# Altium PCB PCB-watch.PcbDoc
Units mm, origin at the board's own origin, x right, y up, seen from the top; angles counter-clockwise.
Board outline 65 x 90 mm, 2 copper layers (Top Layer, Bottom Layer); 82 components, 74 nets, 352 pads, 251 vias.
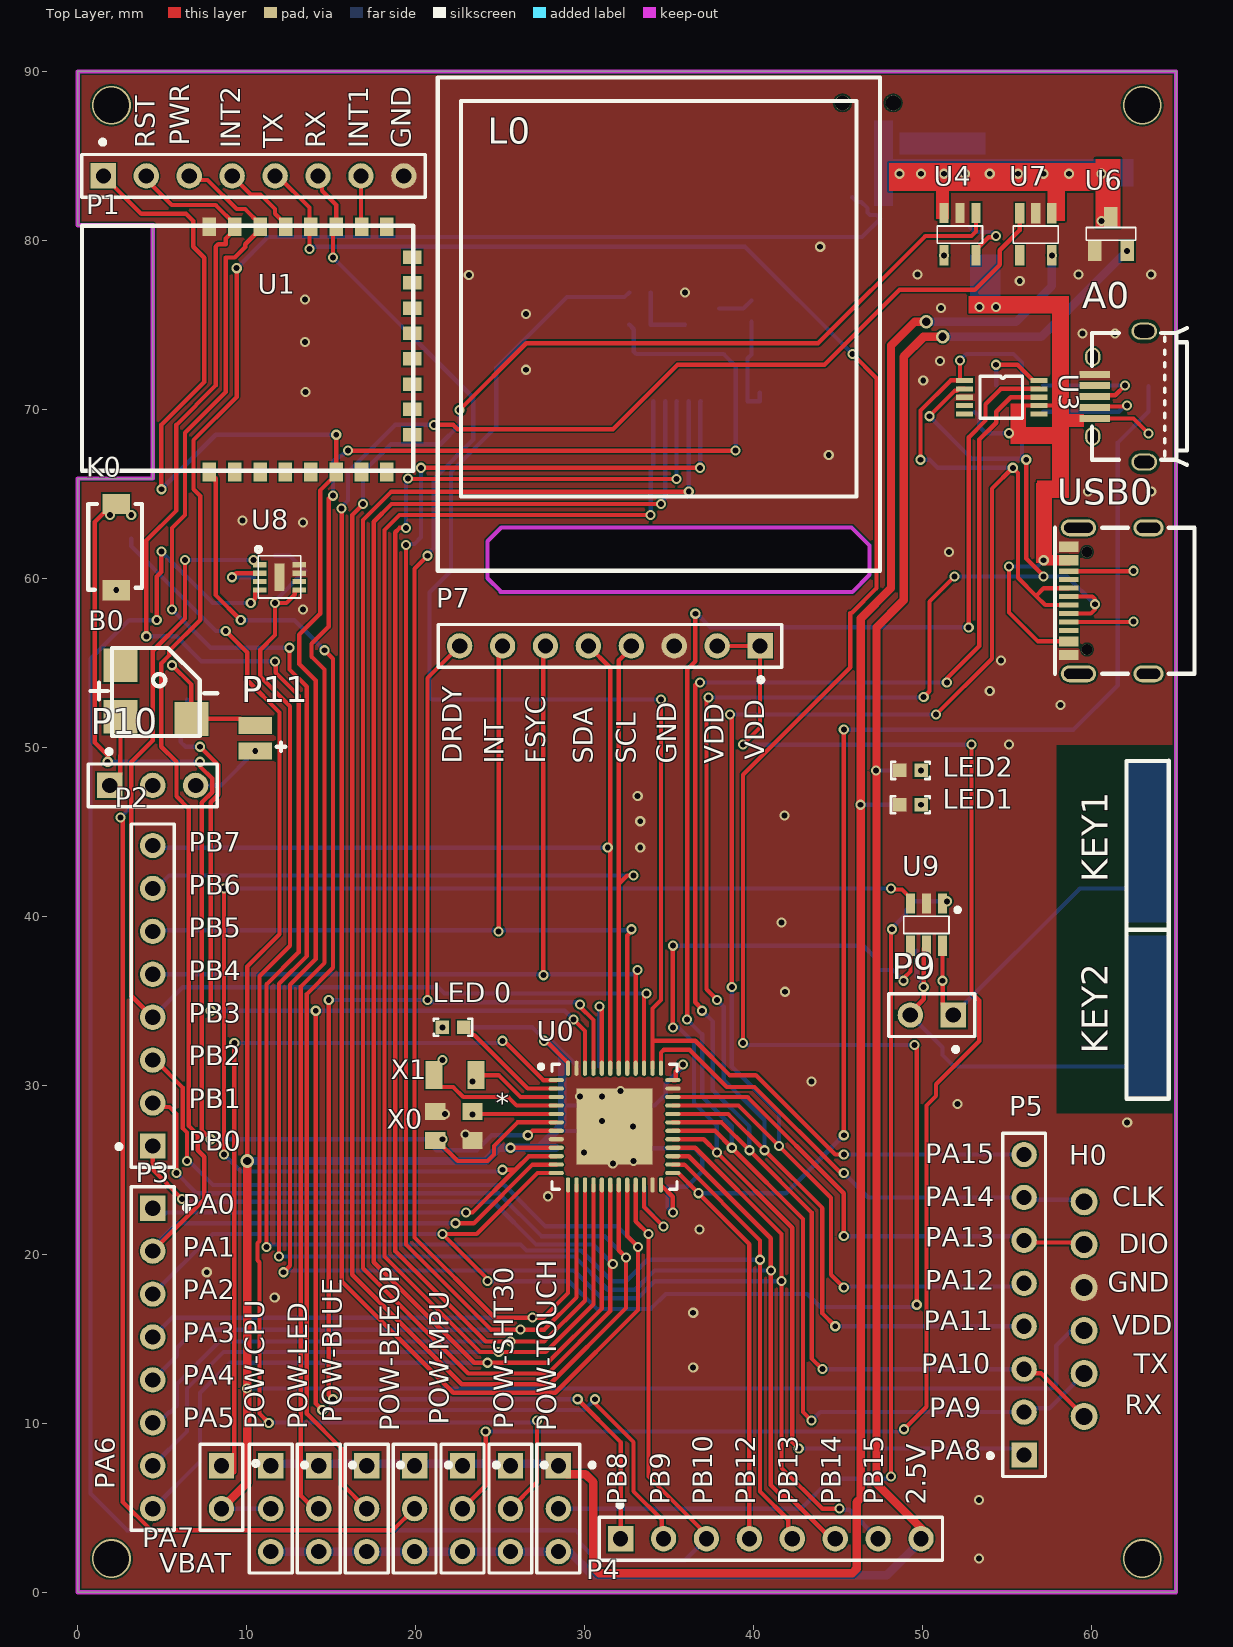
[diagram p0: Top Layer view]
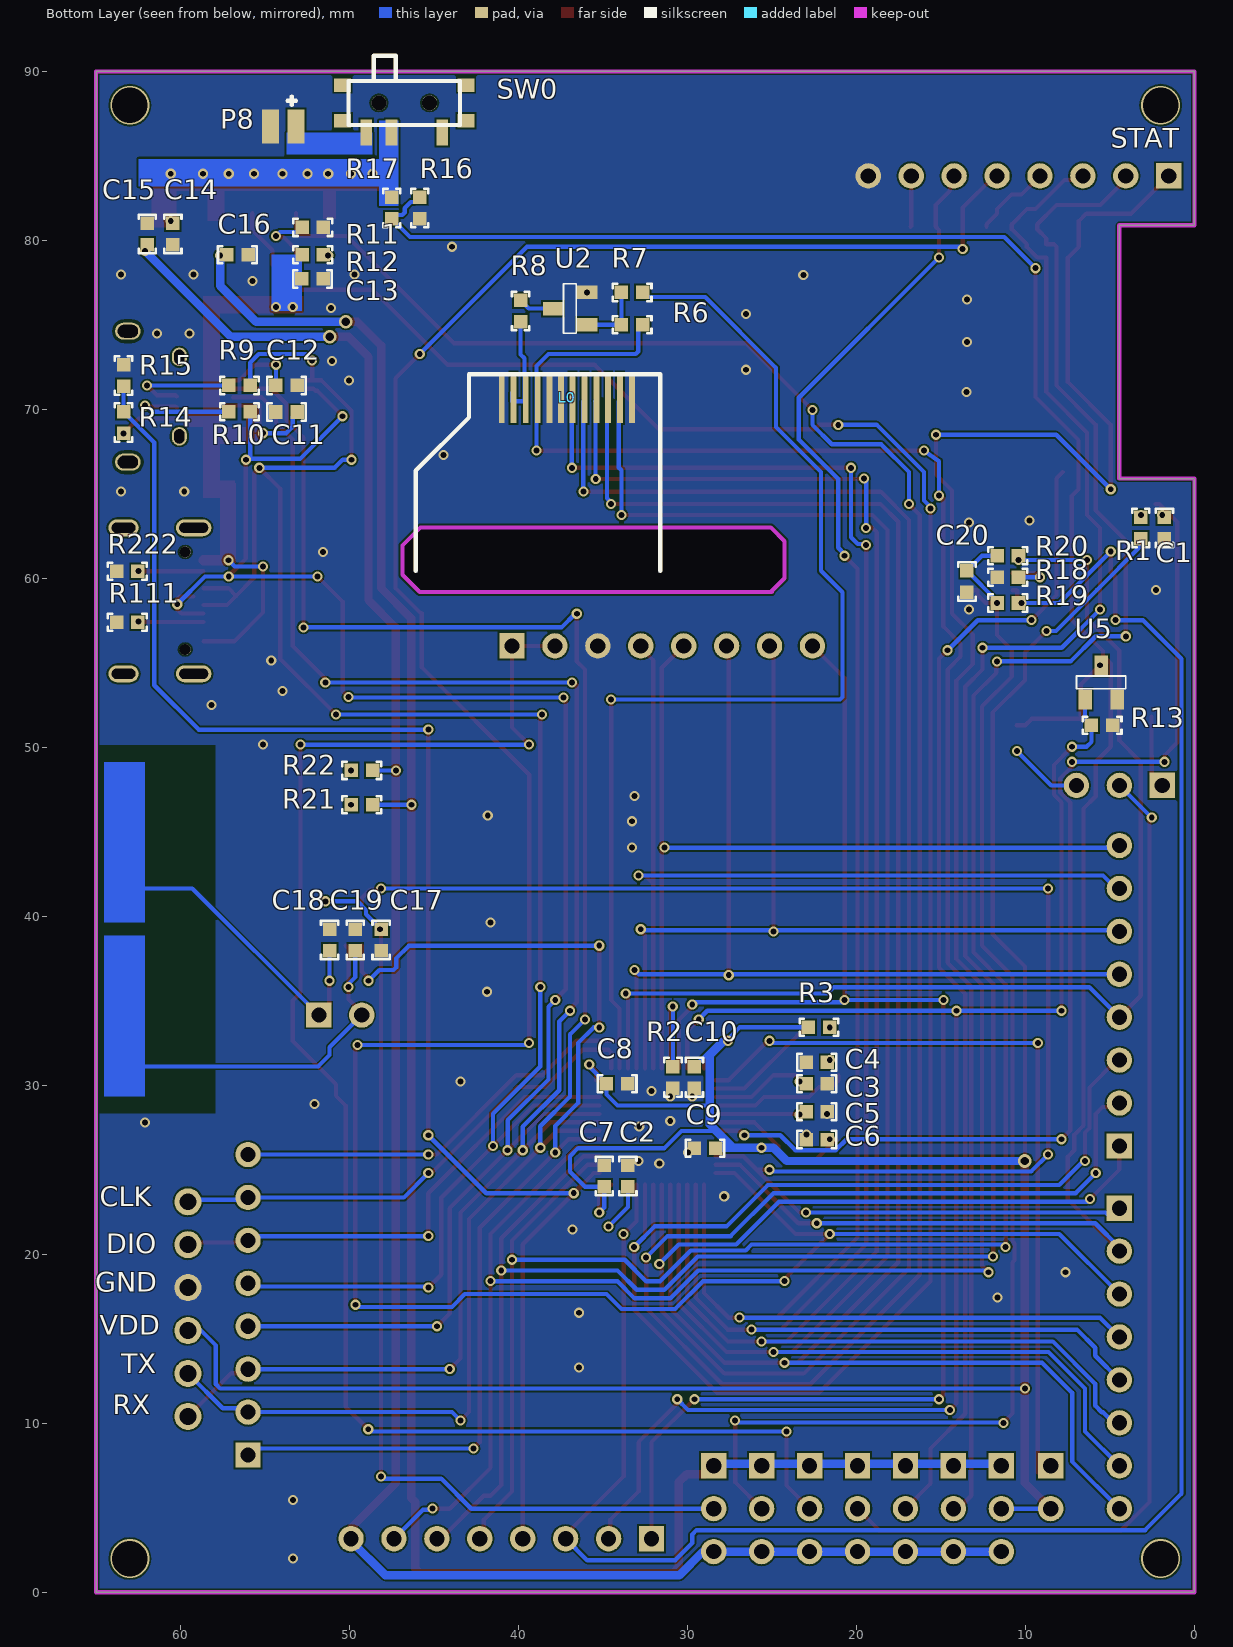
[diagram p1: Bottom Layer view, seen from below]

## Layer stack, top to bottom
Top Solder: solder mask 0.0102, Solder Resist, Dk 3.5
Top Layer: signal copper 0.0356
Dielectric 1: dielectric 0.32, FR-4, Dk 4.8
Bottom Layer: signal copper 0.0356
Bottom Solder: solder mask 0.0102, Solder Resist, Dk 3.5

## Board outline
0,65.913 4.445,65.913 4.445,80.899 0,80.899 0,90 65,90 65,0 0,0
cut-out: 24.257,60.011 24.257,62.203 25.066,63.012 45.8,63.012 46.863,61.949 46.863,60.218 45.847,59.202 25.019,59.202 25.019,59.249

## Design rules (kind name [scope] priority, off if disabled: settings)
Clearance [All] p1: gap=0.1 ignorepadtopadclearanceinfootprint=TRUE
DiffPairsRouting [All] p1: maxlimit=0.254 minlimit=0.15 mostfreqgap=0.254 toplayer_minwidth=0.381 toplayer_maxwidth=0.381 toplayer_prefwidth=0.381 bottomlayer_minwidth=0.381 bottomlayer_maxwidth=0.381 bottomlayer_prefwidth=0.381 maxuncoupledlength=12.7
HoleToHoleClearance [All] p1: gap=0.15 allowstackedmicrovias=TRUE
MinimumSolderMaskSliver [All] p1: minsoldermaskwidth=0.01
PlaneConnect [All] p1: planeconnectstyle=Relief reliefexpansion=0.508 reliefentries=4 reliefconductorwidth=0.5 reliefairgap=0.254
PolygonConnect [All] p1: connectstyle=Direct reliefconductorwidth=0.4 reliefentries=4 polygonreliefangle="90 Angle" airgapwidth=0.15
RoutingVias [All] p1: holewidth=3 width=3 viastyle="Through Hole" minholewidth=0.25 minwidth=0.35 maxholewidth=3 maxwidth=3
SilkToSilkClearance [All] p1: silktosilkclearance=0
SilkToSolderMaskClearance [IsPad] p1: minsilkscreentomaskgap=0 clearancetoexposedcopper=TRUE
SolderMaskExpansion [All] p1: expansion=0.102
Width [All] p1: maxlimit=1 minlimit=0.254 preferedwidth=0.254
24 further rules are at their usual default settings.

## Components (designator, comment, footprint, x,y, rotation, side; value= is the part's Value field where it differs from the comment)
A0 "Micro USB" "Micro usb AB" 60.198,72.093 r270 top
B0 "5020蜂鸣器" 5020蜂鸣器 2.032,50.673 r0 top
C1 "1uF" CC1608-0603 1.778,62.992 r90 bottom
C2 "4.7uF" CC1608-0603 33.528,24.638 r270 bottom
C3 "15pF" CC1608-0603 22.352,30.099 r0 bottom
C4 "15pF" CC1608-0603 22.352,31.369 r180 bottom
C5 "8pF" CC1608-0603 22.352,28.448 r0 bottom
C6 "8pF" CC1608-0603 22.352,26.797 r180 bottom
C7 "100nF" CC1608-0603 34.925,24.638 r270 bottom
C8 "100nF" CC1608-0603 34.163,30.099 r0 bottom
C9 "100nF" CC1608-0603 28.956,26.289 r180 bottom
C10 "100nF" CC1608-0603 29.591,30.48 r90 bottom
C11 "100nF" CC1608-0603 53.721,69.85 r0 bottom
C12 "100nF" CC1608-0603 53.721,71.42 r0 bottom
C13 "1uF" CC1608-0603 52.197,77.724 r0 bottom
C14 "1uF" CC1608-0603 60.452,80.391 r90 bottom
C15 "1uF" CC1608-0603 61.976,80.391 r270 bottom
C16 "1uF" CC1608-0603 56.642,79.161 r0 bottom
C17 "100nF" CC1608-0603 48.133,38.608 r90 bottom
C18 "15pF" CC1608-0603 51.181,38.608 r270 bottom
C19 "15pF" CC1608-0603 49.657,38.608 r270 bottom
C20 "100nF" CC1608-0603 13.462,59.817 r90 bottom
H0 "Header_6P_Curved" Header_2_54_6PW 59.563,10.414 r90 top
K0 "KEY 3*4" "KEY 3*4" 2.286,64.409 r270 top
L0 "TFT LED" LCD-1.3-(2) 40.993,70.692 r0 top
LED1 "LED 0603" "LED 0603" 49.276,46.609 r180 top
LED2 "LED 0603" "LED 0603" 49.281,48.641 r180 top
"LED 0" "LED 0603" "LED 0603" 22.221,33.434 r0 top
P1 "Header 8" HDR1X8 1.524,83.82 r0 top
P2 "Header 8" HDR1X8 4.445,26.416 r90 top
P3 "Header 8" HDR1X8 4.445,22.733 r270 top
P4 "Header 8" HDR1X8 32.131,3.175 r0 top
P5 "Header 8" HDR1X8 56.007,8.128 r90 top
P7 "Header 8" HDR1X8 40.386,56.007 r180 top
P8 "power" POWER-3.7V 52.782,88.011 r0 bottom
P9 "Header 2" HDR1X2 51.816,34.163 r180 top
P10 "Header 3" HDR1X3 1.905,47.752 r0 top
P11 "power" POWER-3.7V 11.783,49.403 r90 top
POW-BEEOP "Header 3" HDR1X3 19.939,7.493 r270 top
POW-BLUE "Header 3" HDR1X3 17.103,7.493 r270 top
POW-CPU "Header 3" HDR1X3 11.43,7.493 r270 top
POW-LED "Header 3" HDR1X3 14.266,7.493 r270 top
POW-MPU "Header 3" HDR1X3 22.775,7.493 r270 top
POW-SHT30 "Header 3" HDR1X3 25.612,7.493 r270 top
POW-TOUCH "Header 3" HDR1X3 28.448,7.493 r270 top
R1 "4.7K" CR1608-0603 3.175,62.992 r270 bottom
R2 "10K" CR1608-0603 30.861,30.48 r270 bottom
R3 "1K" CR1608-0603 22.225,33.434 r0 bottom
R6 "10K" CR1608-0603 33.274,75.02 r0 bottom
R7 "1K" CR1608-0603 33.274,76.925 r180 bottom
R8 "10R" CR1608-0603 39.878,75.819 r90 bottom
R9 "22R" CR1608-0603 56.515,71.42 r0 bottom
R10 "22R" CR1608-0603 56.515,69.866 r0 bottom
R11 "1.25K" CR1608-0603 52.178,80.772 r0 bottom
R12 "0.25R" CR1608-0603 52.178,79.161 r180 bottom
R13 "33K" CR1608-0603 5.461,51.308 r180 bottom
R14 "10K" CR1608-0603 63.373,69.231 r90 bottom
R15 "10K" CR1608-0603 63.373,72.009 r90 bottom
R16 "10K" CR1608-0603 45.847,81.915 r90 bottom
R17 "10K" CR1608-0603 47.498,81.915 r90 bottom
R18 "10K" CR1608-0603 11.049,60.071 r180 bottom
R19 "10K" CR1608-0603 11.049,58.547 r180 bottom
R20 "10K" CR1608-0603 11.049,61.341 r180 bottom
R21 "1K" CR1608-0603 49.276,46.609 r180 bottom
R22 "1K" CR1608-0603 49.276,48.641 r180 bottom
R111 "1.5K" CR1608-0603 63.155,57.404 r180 bottom
R222 "1.5K" CR1608-0603 63.155,60.426 r180 bottom
SW0 "MKS-12D19" "SW  MSK-02" 45.26,88.138 r0 bottom
U0 "STM32F401CCU6" STM32-UFQFPN48_N 31.771,27.563 r0 top
U1 "JDY-19" JDY-19 18.312,66.301 r90 top
U2 "S8050" "SOT-23 SI2302" 35.941,75.02 r90 bottom
U3 "CH340E" MSOP-10 52.493,71.723 r0 top
U4 "TP4054" SOT23-5 51.258,81.621 r0 top
U5 "SI2302" "SOT-23 SI2302" 6.477,52.832 r180 bottom
U6 "XC6206" "SOT-23 SI2302" 60.198,79.375 r0 top
U7 "TPS709" SOT23-5 55.748,81.619 r0 top
U8 "SHT30" SHT3X-DIS 10.763,59.309 r0 top
U9 "BS812A-1" SOT23-6 50.292,39.497 r180 top
USB0 "Tpye-c 16P" "TYPE-C 16P" 59.723,61.566 r90 top
VBAT "Header 2" HDR1X2 8.509,7.493 r270 top
X0 "26M" XTAL-3225 23.368,26.748 r180 top
X1 "32.768kKHz" XTAL-3215 23.582,30.607 r180 top

## Footprints (in the part's own frame and the unit in brackets; to place one, negate y for a bottom-side part, rotate by r counter-clockwise, add the part's x,y. Pads: shape width x height; smd on the part's side, far side on the other; paste and mask are expansions set on the pad)
5020蜂鸣器 [mm] "蜂鸣器 贴片封装"
  rect 2x2 smd: 1(0.508,1.143) 2(4.699,1.016) ""(0.508,4.191)
  silkscreen extent -1.27,0 6.22,5.21, body extent 0,0 5.21,5.08, height 2.01
CC1608-0603 [mm]
  rect 0.8x0.8 smd: 1(-0.635,0) 2(0.635,0)
  silkscreen extent -1.14,-0.51 1.14,0.51, body extent -0.8,-0.4 0.8,0.4, height 0.3
CR1608-0603 [mm]
  rect 0.8x0.8 smd: 1(-0.635,0) 2(0.635,0)
  silkscreen extent -1.14,-0.51 1.14,0.51, body extent -0.8,-0.4 0.8,0.4, height 0.45
HDR1X2 [mm] "Connector; Header; 2 Position"
  rect 1.5x1.5 hole 0.9: 1(0,0)
  round 1.5 hole 0.9: 2(2.54,0)
  silkscreen extent -1.27,-1.27 3.81,2.17, body extent -1.27,-1.27 3.81,1.27, height 8.54
HDR1X3 [mm] "Connector; Header; 3 Position"
  rect 1.5x1.5 hole 0.9: 1(0,0)
  round 1.5 hole 0.9: 2(2.54,0) 3(5.08,0)
  silkscreen extent -1.27,-1.27 6.35,2.14, body extent -1.27,-1.27 6.35,1.27, height 8.54
HDR1X8 [mm] "Connector; Header; 8 Position"
  rect 1.5x1.5 hole 0.9: 1(0,0)
  round 1.5 hole 0.9: 2(2.54,0) 3(5.08,0) 4(7.62,0) 5(10.16,0) 6(12.7,0) 7(15.24,0) 8(17.78,0)
  silkscreen extent -1.27,-1.27 19.05,2.14, body extent -1.27,-1.27 19.05,1.27, height 8.54
Header_2_54_6PW [mm] "6P弯针"
  round 1.6 hole 1: 1(0,0) 2(2.54,0) 3(5.08,0) 4(7.62,0) 5(10.16,0) 6(12.7,0)
  body extent -1.27,-10.07 13.97,0.25, height 2.75
JDY-19 [mm]
  rect 1.1x0.8 smd: 1(0,10.513) 2(0,9.013) 3(0,7.514) 4(0,6.014) 5(0,4.514) 6(0,3.014) 7(0,1.514) 8(0,0.014) 17(14.513,0.006) 18(14.513,1.506) 19(14.513,3.006) 20(14.513,4.506) 21(14.513,6.006) 22(14.513,7.506) 23(14.513,9.006) 24(14.513,10.513)
  rect 0.8x1.1 smd: 9(2.2,-1.5) 10(3.7,-1.5) 11(5.2,-1.5) 12(6.7,-1.5) 13(8.2,-1.5) 14(9.7,-1.5) 15(11.2,-1.5) 16(12.7,-1.5)
  silkscreen extent 0.06,-1.55 14.56,18.05, body extent 0.06,-1.55 14.58,18.06, height 1.5
"KEY 3*4" [mm]
  rect 1.2x1.6 smd: 1(0,0) 2(5.1,0)
  silkscreen extent 0,-1.65 5.08,1.52, body extent 0.25,-1.71 4.7,1.46, height 2.01
LCD-1.3-(2) [mm]
  rect 0.35x3 smd far side: 1(0,0) 2(-0.7,0) 3(-1.419,0) 4(-2.128,0) 5(-2.838,0) 6(-3.5,0) 7(-4.193,0) 8(-4.902,0) 9(-5.612,0) 10(-6.3,0) 11(-7,0) 12(-7.7,0)
  silkscreen extent -19.68,-10.24 6.49,18.96, body extent -19.67,-10.24 6.51,18.91, height 1.51
"LED 0603" [mm]
  rect 0.8x0.8 smd: 1(-0.635,0) 2(0.635,0)
  silkscreen extent -1.14,-0.51 1.14,0.51, body extent -0.8,-0.4 0.8,0.4, height 0.6
"Micro usb AB" [mm]
  rect 0.4x1.8 smd: 1(2.623,0) 2(1.973,0) 3(1.323,0) 4(0.673,0) 5(0.023,0)
  oval 1x1.524 hole 1.2 slot 0.75 at 0 deg: 15(-2.54,2.921) 15(5.207,2.921)
  oval 1.1x0.9 hole 0.6 slot 0.85 at 0 deg: 15(-1.016,-0.127) 15(3.683,-0.127)
  silkscreen extent -2.73,-0.17 5.37,5.46, body extent -3,-0.28 5.65,5.62, height 2.81
MSOP-10 [mm]
  rect 1x0.3 smd: 1(0,0) 2(0,-0.5) 3(0,-1) 4(0,-1.5) 5(0,-2) 6(4.403,-2) 7(4.403,-1.5) 8(4.403,-1) 9(4.403,-0.5) 10(4.403,0)
  silkscreen extent 0.9,-2.25 3.42,0.25, body extent -0.32,-2.5 4.71,0.5, height 1.05
POWER-3.7V [mm]
  rect 1x2 smd: 1(0.381,1.27) 2(1.905,1.27)
  silkscreen extent 0.38,-0.51 0.89,0
SHT3X-DIS [mm]
  rect 0.8x0.3 smd: 1(0,1.5) 2(0,1) 3(0,0.5) 4(0,0) 5(2.35,0) 6(2.35,0.5) 7(2.35,1) 8(2.35,1.5)
  rect 0.6x1.6 smd: 9(1.175,0.762)
  silkscreen extent -0.21,-0.47 2.43,2.56, body extent -0.1,-0.51 2.44,2.03, height 1.27
SOT23-5 [mm] "适用于MIC5205"
  rect 0.55x1.2 smd: 1(1.905,0) 2(0.955,0) 3(0.005,0) 4(0.005,-2.5) 5(1.905,-2.5)
  silkscreen extent -0.38,-1.78 2.29,-0.76, body extent -0.6,-2.82 2.5,0.38, height 1.45
SOT23-6 [mm]
  rect 0.55x1.2 smd: 1(-0.889,-1.27) 2(0.061,-1.27) 3(1.011,-1.27) 4(1.011,1.23) 5(0.061,1.23) 6(-0.889,1.23)
  silkscreen extent -1.91,-1.02 1.4,0.51, body extent -1.39,-1.4 1.51,1.4, height 1.45
"SOT-23 SI2302" [mm]
  rect 0.8x1.2 smd: 1(0,0) 2(1.905,0) 3(0.95,2.02)
  silkscreen extent -0.51,0.63 2.41,1.4, body extent -0.61,-0.23 2.39,2.27, height 1.05
STM32-UFQFPN48_N [mm] "QFN, 48-Leads, Body 7.1x7.1mm, Pitch 0.5mm, Thermal Pad 5.6x5.6mm, IPC Medium Density"
  oval 0.9x0.25 smd: 1(-3.45,2.75) 2(-3.45,2.25) 3(-3.45,1.75) 4(-3.45,1.25) 5(-3.45,0.75) 6(-3.45,0.25) 7(-3.45,-0.25) 8(-3.45,-0.75) 9(-3.45,-1.25) 10(-3.45,-1.75) 11(-3.45,-2.25) 12(-3.45,-2.75) 25(3.45,-2.75) 26(3.45,-2.25) 27(3.45,-1.75) 28(3.45,-1.25) 29(3.45,-0.75) 30(3.45,-0.25) 31(3.45,0.25) 32(3.45,0.75) 33(3.45,1.25) 34(3.45,1.75) 35(3.45,2.25) 36(3.45,2.75)
  oval 0.25x0.9 smd: 13(-2.75,-3.45) 14(-2.25,-3.45) 15(-1.75,-3.45) 16(-1.25,-3.45) 17(-0.75,-3.45) 18(-0.25,-3.45) 19(0.25,-3.45) 20(0.75,-3.45) 21(1.25,-3.45) 22(1.75,-3.45) 23(2.25,-3.45) 24(2.75,-3.45) 37(2.75,3.45) 38(2.25,3.45) 39(1.75,3.45) 40(1.25,3.45) 41(0.75,3.45) 42(0.25,3.45) 43(-0.25,3.45) 44(-0.75,3.45) 45(-1.25,3.45) 46(-1.75,3.45) 47(-2.25,3.45) 48(-2.75,3.45)
  rect 4.5x4.5 smd: 49(0,0)
  silkscreen extent -4.47,-3.7 3.7,3.7, body extent -3.5,-3.5 3.5,3.5, height 0.55
"SW  MSK-02" [mm] "拨动开关"
  rect 1x0.8 smd: 0(-2.15,-1.05) 0(-2.15,1.05) 0(5.15,-1.05) 0(5.15,1.05)
  rect 0.7x1.524 smd: 1(-0.75,1.75) 2(2.25,1.75) 3(3.75,1.75)
  round 0.9 hole 0.9 unplated: ""(0,0) ""(3,0)
  silkscreen extent -1.8,-2.8 4.8,1.3, body extent -2.6,-2.79 5.59,2.22, height 1.6
"TYPE-C 16P" [mm]
  oval 1x2.099 hole 0.6 slot 1.7 at 90 deg: 1(-7.21,0.5) 2(1.43,0.5)
  oval 1x1.799 hole 0.6 slot 1.4 at 90 deg: 3(-7.21,-3.65) 4(1.43,-3.65)
  rect 0.6x1.15 smd: A1B12(-6.09,1.075) A4B9(-5.29,1.075) B1A12(0.31,1.075) B4A9(-0.49,1.075)
  rect 0.3x1.15 smd: A5(-4.14,1.075) A6(-3.14,1.075) A7(-2.64,1.075) A8(-1.64,1.075) B5(-1.14,1.075) B6(-2.14,1.075) B7(-3.64,1.075) B8(-4.64,1.075)
  round 0.65 hole 0.65 unplated: ""(-5.78,0) ""(0,0)
  silkscreen extent -7.21,-6.37 1.43,1.89, body extent -7.31,-6 1.63,0.9, height 3.18
XTAL-3215 [mm]
  rect 1x1.65 smd: 1(0,0) 2(2.5,0)
  body extent -0.33,-0.75 2.87,0.75, height 0.8
XTAL-3225 [mm]
  rect 1.2x1 smd: 1(0,-1.7) 2(0,0) 2(2.2,-1.7) 3(2.2,0)
  body extent -0.43,-2.15 2.77,0.35, height 0.61

## Part data
A0: "迷你usb接口"
B0: "蜂鸣器，贴片封装，长宽5.2mm"
C1 C2 C3 C4 C5 C6 C7 C8 C9 C10 C11 C12 C13 C14 C15 C16 C17 C18 C19 C20: library part "Cap Chip 0603", "电容", Published=8-Jun-2000, Publisher="Altium Limited", Revision="July-2002: Re-released for DXP Platform."
H0: "弯的6P排针"
L0: library part LCD-IPSscreen-1.3, "1.3寸显示屏幕"
P1 P2 P3 P4 P5 P7: "Header, 8-Pin", LatestRevisionDate=17-Jul-2002, LatestRevisionNote="Re-released for DXP Platform.", Publisher="Altium Limited"
P9 VBAT: "Header, 2-Pin", LatestRevisionDate=17-Jul-2002, LatestRevisionNote="Re-released for DXP Platform.", Publisher="Altium Limited"
P10 POW-BEEOP POW-BLUE POW-CPU POW-LED POW-MPU POW-SHT30 POW-TOUCH: "Header, 3-Pin", LatestRevisionDate=17-Jul-2002, LatestRevisionNote="Re-released for DXP Platform.", Publisher="Altium Limited"
R1 R2 R3 R6 R7 R8 R9 R10 R11 R12 R13 R14 R15 R16 R17 R18 R19 R20 R21 R22 R111 R222: library part "Resistor Chip 0603", "电阻", Published=8-Jun-2000, Publisher="Altium Limited", Revision="July-2002: Re-released for DXP Platform."
SW0: library part sw-MSK-12D19
U0: library part stm32F411CEU6, "stm32单片机 主频100MHz"
U1: "超低功耗蓝牙 4.2 BLE 模块"
U2: "三极管放大管 NPN型三极管 大电流300ma"
U3: "usd转串口芯片 MSOP10封装"
U4: "迷你充电IC SOT-23-5"
U5: "NMOS场效应MOS管 SOT-23"
U6: "2.5V降压IC SOT-23封装"
U7: "3.3V降压IC SOT23-5封装 最大输出150ma电流"
U8: "温湿度传感器"
U9: "触摸按键 两路 SOP23-6封装极简电路"
USB0: "16P 封装的TYPE -c接口 4固定插脚 双向"
X0: library part "XTAL 3225", "3225封装的晶振"
X1: library part "XTAL 3215 32.768kKHz", "3215封装的时钟晶振"

## Via types
v1: diameter 0.6, hole 0.35, Top Layer to Bottom Layer, 244 vias
v2: diameter 2.3, hole 2.1, Top Layer to Bottom Layer, 4 vias
v3: diameter 0.8, hole 0.5, Top Layer to Bottom Layer, 3 vias

## Nets (pads, with @x,y where several pads share a name; then routed paths per layer and width w, separated by ;. In a path a pad name is that pad's centre, name@x,y a point inside that pad or via, vN(x,y) a via of type N, cw(c..) or ccw(c..) an arc to the next point about the centre after c; other vN are vias at no path point)
3.3V: C16.2 POW-BEEOP.1 POW-BLUE.1 POW-CPU.1 POW-LED.1 POW-MPU.1 POW-SHT30.1 POW-TOUCH.1 R21.2 U7.5 | length 129.3
  Top Layer w0.5: POW-CPU.1 POW-CPU.1@11.917,7.006 ; POW-TOUCH.1 28.948,6.993 30.048,6.993 30.521,6.52 30.521,1.483 30.861,1.143 45.847,1.143 46.101,1.397 46.101,5.334 46.355,5.588 46.355,46.609 46.355,57.648 48.133,59.426 48.133,73.787 49.53,75.184 v3(50.213,75.184)
  Bottom Layer w0.254: v1(46.331,46.609) R21.2
  Bottom Layer w0.5: POW-CPU.1@11.557,7.62 28.321,7.62 POW-TOUCH.1 ; v3(50.213,75.184) 55.523,75.184 57.653,77.314 v1(57.653,79.119)
5V: A0.1 C11.1 C13.2 R12.1 R14.1 U3.7 USB0.A4B9 USB0.B4A9 | length 17
  Top Layer w0.254: v1(55.118,60.706) 55.118,57.984 56.826,56.276 USB0.A4B9 ; A0.1@60.234,69.469 62.484,69.469 v1(63.373,68.58)
  Top Layer w0.6: v1(57.168,61.076) USB0.B4A9
  Bottom Layer w0.254: C11.1 53.359,69.577 53.359,68.992 53.755,68.596 v1(55.118,68.596) ; v1(55.118,60.706) 56.798,60.706 v1(57.168,61.076)
  other v1: 53.359,76.073 54.356,76.073
ADC_bat: P3.2 R16.2 R17.1 U0.11 | length 130.4
  Top Layer w0.254: P3.2 7.493,23.241 7.493,25.781 7.112,26.162 7.112,27.074 6.567,27.619 6.567,46.392 5.847,47.112 5.847,49.149 4.953,50.043 4.953,54.974 5.415,55.436 5.415,55.707 7.258,57.55 7.258,64.878 6.858,65.278 6.858,68.185 9.412,70.739 v1(9.412,78.359) ; v1(22.352,21.844) 23.447,21.844 26.916,25.313 U0.11
  Bottom Layer w0.254: P3.2 4.445,20.412 5.877,21.844 v1(22.352,21.844) ; v1(9.412,78.359) 11.254,80.2 46.419,80.2 R17.1 47.266,81.512 46.885,81.512 46.736,81.661 46.736,81.915 46.374,82.277 46.12,82.277 R16.2
BAT3.7V: C14.2 R17.2 SW0.2 U4.3 U6.3 U7.1
  other v1: 60.579,81.153 48.641,83.947 49.911,83.947 51.263,83.947 52.493,83.947 53.975,83.947 55.65,83.947 57.15,83.947 58.674,83.947 60.579,83.947
beep: P4.2 R13.1 U0.46 U5.1 | length 95.3
  Top Layer w0.254: v1(7.239,50.038) 8.316,48.961 8.316,47.201 7.874,46.759 v1(7.874,34.417) ; v1@13.965,34.417 v1(14.091,34.417) 14.091,11.182 v1(14.478,10.795) ; v1(29.337,33.909) 30.021,33.225 U0.46 ; v1(30.607,11.43) 30.607,11.176 32.893,8.89 32.893,5.978 34.565,4.306 34.565,3.281 P4.2
  Bottom Layer w0.254: U5.1 6.477,51.689 R13.1 6.096,50.328 6.386,50.038 v1(7.239,50.038) ; v1(7.874,34.417) v1(14.091,34.417) 28.829,34.417 v1(29.337,33.909) ; v1(14.478,10.795) 29.972,10.795 v1(30.607,11.43)
BOOT0: R2.1 U0.44 | length 7.3
  Top Layer w0.254: v1(30.873,34.671) 31.021,34.523 U0.44
  Bottom Layer w0.254: R2.1 30.861,34.659 v1(30.873,34.671)
DM_USB-: P5.4 R10.1 U0.32 U3.2 USB0.A7 USB0.B7 | length 110.6
  Top Layer w0.254: U0.32 38.493,28.313 v1(40.644,26.162) 44.069,22.737 44.069,16.51 v1(44.831,15.748) ; v1(37.338,52.959) 37.211,52.832 37.211,35.687 37.829,35.069 v1(37.829,35.052) ; v1(50.067,52.984) 50.41,53.326 50.41,58.628 v1(51.899,60.117) ; v1(50.41,69.596) 50.41,69.611 51.899,71.1 52.02,71.1 52.143,71.223 U3.2 ; v1(56.134,67.022) 56.134,61.179 57.15,60.163 v1(57.15,60.117) ; USB0.B7 59.958,57.926 60.198,58.166 v1(60.198,58.472) 60.198,58.777 60.049,58.926 59.234,58.926
  Bottom Layer w0.254: v1(37.338,52.959) 50.042,52.959 v1(50.067,52.984) ; v1(37.829,35.052) 38.227,34.654 38.227,30.353 40.644,27.936 v1(40.644,26.162) ; v1(44.831,15.748) P5.4 ; v1(50.41,69.596) 52.931,67.075 56.081,67.075 v1(56.134,67.022) 55.88,67.276 R10.1 ; v1(51.899,60.117) v1(57.15,60.117) 58.553,60.117 v1(60.198,58.472)
DP_USB+: P5.5 R9.1 U0.33 U3.1 USB0.A6 USB0.B6 | length 114.4
  Top Layer w0.254: U0.33 39.113,28.813 v1(41.51,26.416) 44.577,23.349 44.577,18.796 v1(45.339,18.034) ; v1(38.608,51.943) 38.711,51.84 v1(38.711,35.814) ; v1(49.883,67.022) 49.883,69.942 51.663,71.723 U3.1@52.236,71.723 ; v1(50.8,51.943) 54.107,55.25 54.107,65.315 v1(55.34,66.548) 55.645,66.243 55.645,60.037 56.712,58.97 ; v1(52.213,72.898) 52.213,71.746 U3.1@52.236,71.723 ; U3.1 U3.1@52.236,71.723 ; USB0.A6 57.256,58.426 56.712,58.97 ; USB0.B6 57.168,59.426 56.712,58.97